# Altium PCB Power Selection_bottom_component.PcbDoc (part 1 of 2) (continued)
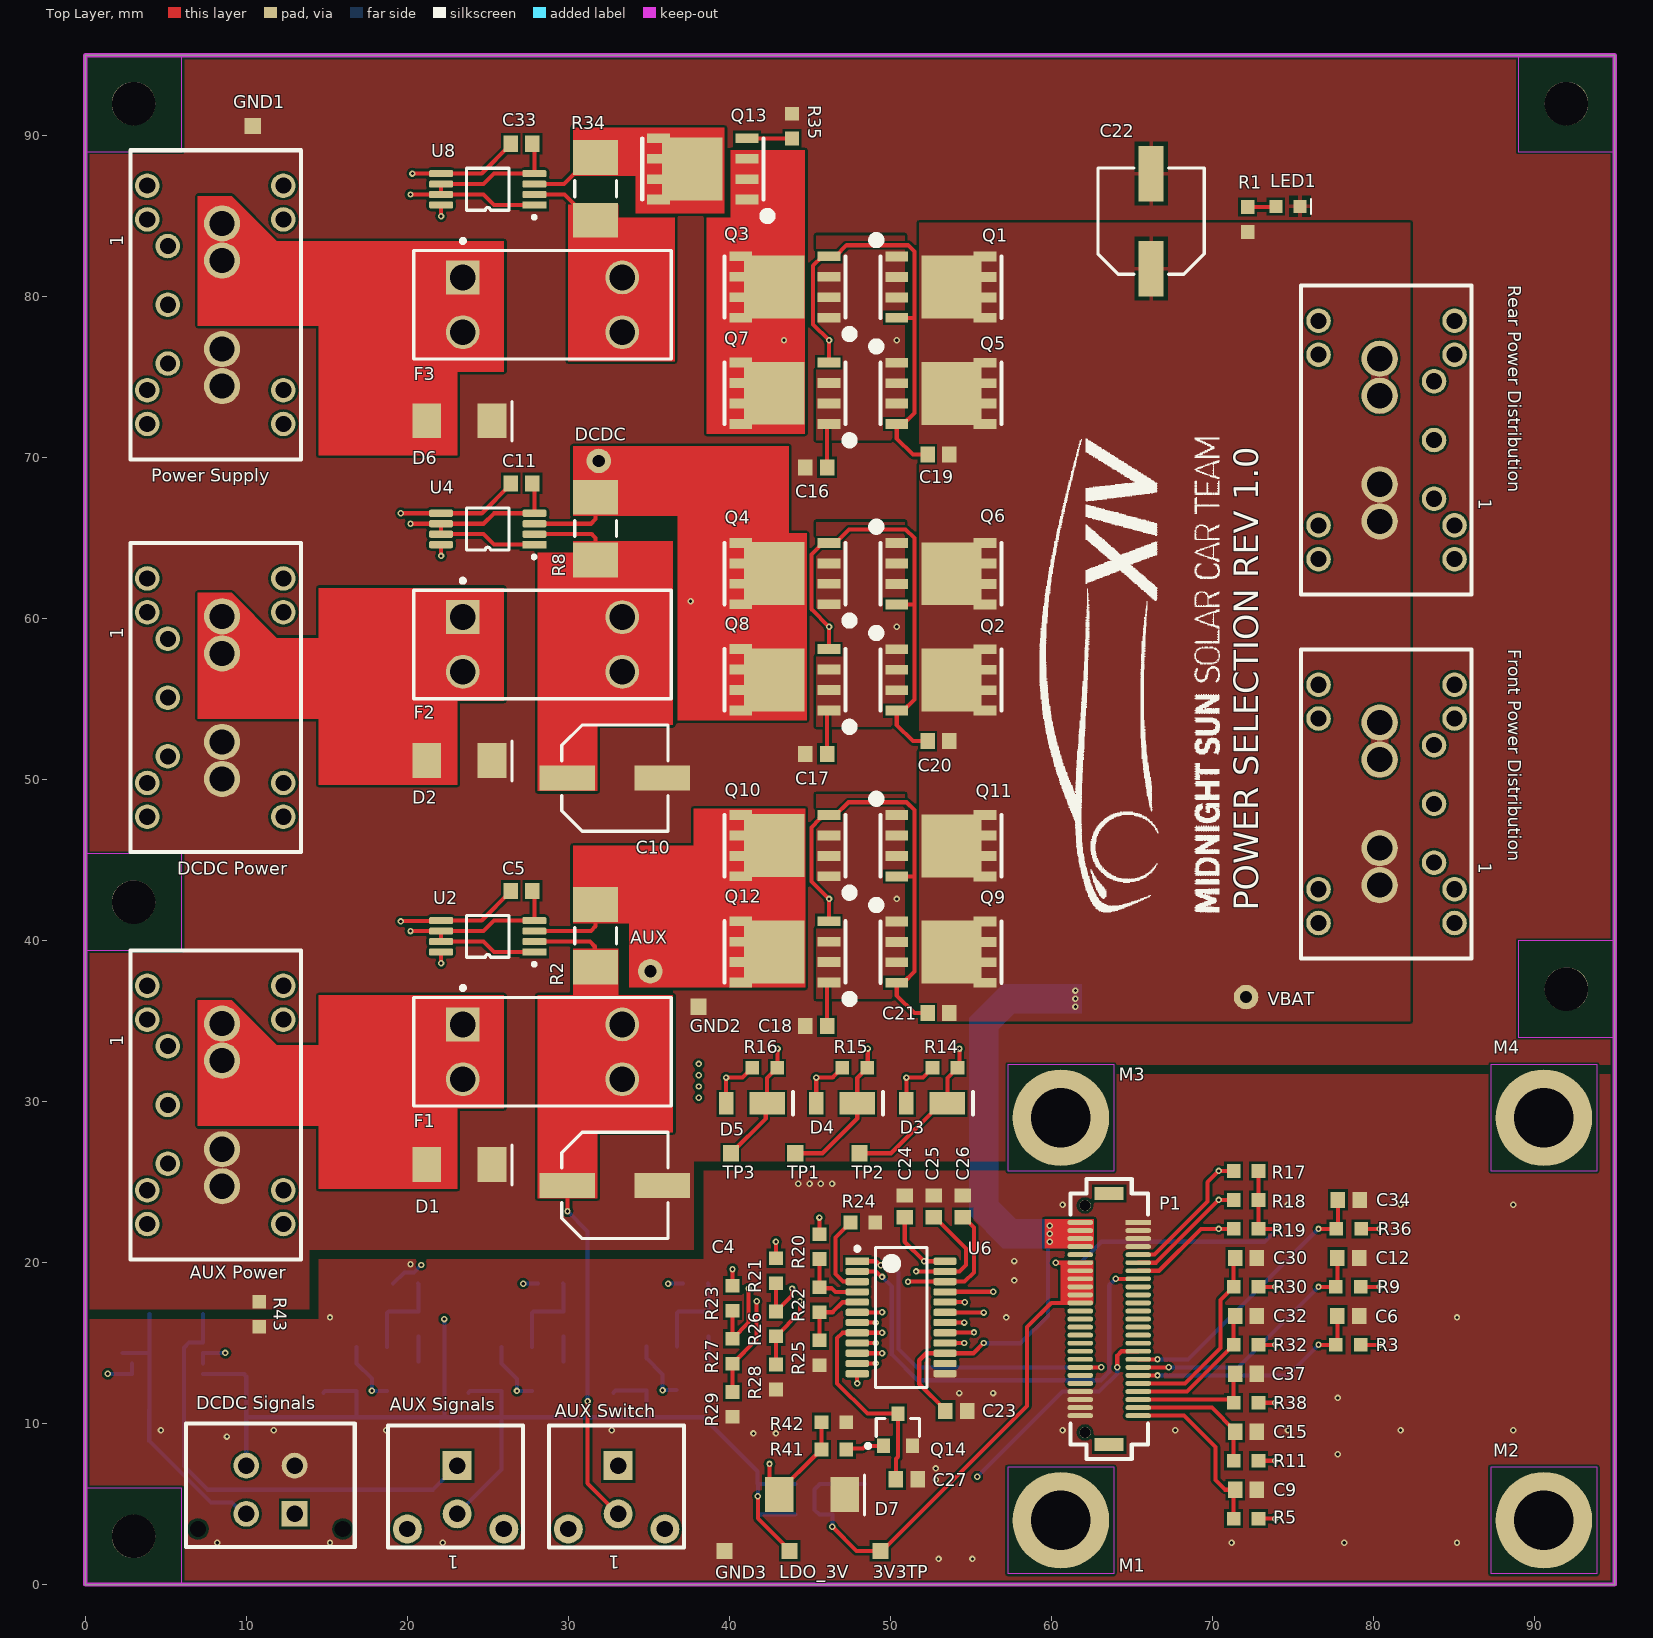
[diagram p0: Top Layer view]
## Design rules (kind name [scope] priority, off if disabled: settings)
Clearance [All] p1: gap=0.152 ignorepadtopadclearanceinfootprint=FALSE except(0: Arc-Text Arc-Hole Track-Text Track-Hole SMDPad-Text SMDPad-Hole THPad-Text THPad-Hole Via-Text Via-Hole Fill-Text Fill-Hole Poly-Text Poly-Hole Region-Text Region-Hole Text-Text Text-Hole)
PlaneClearance [All] p1: clearance=0.508
PlaneConnect "Schematic Power Plane Connect Style_1" [InNetClass('HighCurrent')] p1: planeconnectstyle=Direct reliefexpansion=0.508 reliefentries=4 reliefconductorwidth=0.254 reliefairgap=0.254
PlaneConnect [All] p2: planeconnectstyle=Direct reliefexpansion=0.508 reliefentries=4 reliefconductorwidth=0.254 reliefairgap=0.254
PolygonConnect "Schematic Polygon Connect Style_1" [InNetClass('HighCurrent')] p1: connectstyle=Direct reliefconductorwidth=0.254 reliefentries=4 polygonreliefangle="45 Angle" airgapwidth=0.254
PolygonConnect [All] p2: connectstyle=Direct reliefconductorwidth=0.254 reliefentries=4 polygonreliefangle="90 Angle" airgapwidth=0.254
RoutingVias [All] p1: holewidth=0.2 width=0.4 viastyle="Through Hole" minholewidth=0.2 minwidth=0.4 maxholewidth=0.2 maxwidth=0.4
SolderMaskExpansion [All] p1: expansion=0.102 istentingtop=FALSE
Width [All] p1: maxlimit=0.254 minlimit=0.254 preferedwidth=0.254
28 further rules are at their usual default settings.

## Classes and differential pairs
net class HighCurrent: AUX_BAT_IN AUX_FSD DCDC_FUSED DCDC_UNFUSED NetC10_1 NetF3_3 "Power Supply_UNFUSED" VBAT VS_1 VS_2 VS_3
component class "Power Selection - Temperature Sense": C28 C29 C30 C31 C32 R30 R31 R32 R33 U7
component class "Power Selection - Power Supply": C33 C34 C35 C36 C37 D6 F3 "Power Supply" Q13 R34 R35 R36 R37 R38 R39 R40 U8 U9
component class "Power Selection - Power Path": C16 C17 C18 C19 C20 C21 C22 C23 C24 C25 C26 C27 D3 D4 D5 GND2 Q1 Q2 Q3 Q4 Q5 Q6 Q7 Q8 Q9 Q10 Q11 Q12 Q14 R14 R15 R16 R17 R18 R19 R20 R21 R22 R23 R24 R25 R26 R27 R28 R29 TP1 TP2 TP3 U6
component class "Power Selection - DC-DC": C10 C11 C12 C13 C14 C15 D2 DCDC "DCDC Power" "DCDC Signals" F2 R8 R9 R10 R11 R12 R13 U4 U5
component class "Power Selection - AUX": AUX "AUX Power" "AUX Signals" "AUX Switch" C4 C5 C6 C7 C8 C9 D1 D7 F1 R2 R3 R4 R5 R6 R7 R41 R42 U2 U3
component class Controller_Board_Interface: 3V3TP C1 C2 C3 "Front Power Distribution" GND1 GND3 LDO_3V LED1 M1 M2 M3 M4 P1 R1 R43 "Rear Power Distribution" U1 VBAT

## Components (designator, comment, footprint, x,y, rotation, side; value= is the part's Value field where it differs from the comment)
3V3TP "Test Point" "Test Point"#1 49.382,3.7 r270 top
AUX "Thru Test Point" "Thru Test Point"#1 34.85,38.5 r90 top
"AUX Power" "CONN HEADER TE  ELCON Mini 2POS PCB" "CONN HEADER TE  ELCON Mini 2POS PCB-Footprint-1" 8.5,29.8 r180 top
"AUX Signals" "CONN 2POS MICRO-FIT 3mm" "CONN, 2POS MICRO-FIT" 23,7.4 r180 top
"AUX Switch" "CONN 2POS MICRO-FIT 3mm" "CONN, 2POS MICRO-FIT" 33,7.4 r180 top
C1 "CAP CER 1UF 50V 10% X7R 0603" "CAP, 0603" 48.65,5.802 r270 bottom
C2 "CAP CER 10nF 50V 5% X7R 0603" "CAP, 0603" 41.1,4.3 r180 bottom
C3 "CAP CER 1UF 50V 10% X7R 0603" "CAP, 0603" 41.1,6.3 r180 bottom
C4 "47UF" "CAP ALUM 6.3MM RADIAL SMD" 32.9,24.8 r0 top
C5 "CAP CER 0.1UF 50V 10% X7R 0603" "CAP, 0603" 27.1,43.1 r0 top
C6 "CAP CER 10nF 50V 5% X7R 0603" "CAP, 0603" 78.45,16.7 r0 top
C7 "CAP CER 0.1UF 50V 10% X7R 0603" "CAP, 0603" 32.8,12.6 r90 bottom
C8 "CAP CER 10nF 50V 5% X7R 0603" "CAP, 0603" 36.1,16.9 r180 bottom
C9 "CAP CER 10nF 50V 5% X7R 0603" "CAP, 0603" 72.1,5.9 r0 top
C10 "47UF" "CAP ALUM 6.3MM RADIAL SMD" 32.9,50.1 r0 top
C11 "CAP CER 0.1UF 50V 10% X7R 0603" "CAP, 0603" 27.1,68.4 r0 top
C12 "CAP CER 10nF 50V 5% X7R 0603" "CAP, 0603" 78.45,20.3 r0 top
C13 "CAP CER 0.1UF 50V 10% X7R 0603" "CAP, 0603" 23.8,12.6 r90 bottom
C14 "CAP CER 10nF 50V 5% X7R 0603" "CAP, 0603" 27.1,16.9 r180 bottom
C15 "CAP CER 10nF 50V 5% X7R 0603" "CAP, 0603" 72.1,9.5 r0 top
C16 "CAP CER 20PF 50V ±5% C0G/NP0 0603" "CAP, 0603" 45.4,69.4 r180 top value=20pF
C17 "CAP CER 20PF 50V ±5% C0G/NP0 0603" "CAP, 0603" 45.4,51.6 r180 top value=20pF
C18 "CAP CER 20PF 50V ±5% C0G/NP0 0603" "CAP, 0603" 45.4,34.7 r180 top value=20pF
C19 "CAP CER 2PF 50V C0G 0603" "CAP, 0603" 52.995,70.205 r0 top
C20 "CAP CER 2PF 50V C0G 0603" "CAP, 0603" 53,52.4 r0 top
C21 "CAP CER 2PF 50V C0G 0603" "CAP, 0603" 53,35.5 r0 top
C22 "CAP ALUM 100UF 20% 35V SMD" "CAP ALUM 6.3MM RADIAL SMD" 66.2,84.7 r90 top value=100µF
C23 "CAP CER 0.1UF 50V 10% X7R 0603" "CAP, 0603" 54.1,10.8 r0 top
C24 "CAP CER 0.1UF 50V 10% X7R 0603" "CAP, 0603" 50.9,23.5 r90 top
C25 "CAP CER 0.1UF 50V 10% X7R 0603" "CAP, 0603" 52.7,23.5 r90 top
C26 "CAP CER 0.1UF 50V 10% X7R 0603" "CAP, 0603" 54.5,23.5 r90 top
C27 "CAP CER 10nF 50V 5% X7R 0603" "CAP, 0603" 51.025,6.549 r0 top
C28 "CAP CER 0.1UF 50V 10% X7R 0603" "CAP, 0603" 9.9,13.7 r90 bottom
C29 "CAP CER 10nF 50V 5% X7R 0603" "CAP, 0603" 3.3,10.8 r180 bottom
C30 "CAP CER 10nF 50V 5% X7R 0603" "CAP, 0603" 72.1,20.3 r0 top
C31 "CAP CER 10nF 50V 5% X7R 0603" "CAP, 0603" 6.8,10.8 r0 bottom
C32 "CAP CER 10nF 50V 5% X7R 0603" "CAP, 0603" 72.1,16.7 r0 top
C33 "CAP CER 0.1UF 50V 10% X7R 0603" "CAP, 0603" 27.1,89.5 r0 top
C34 "CAP CER 10nF 50V 5% X7R 0603" "CAP, 0603" 78.475,23.9 r0 top
C35 "CAP CER 0.1UF 50V 10% X7R 0603" "CAP, 0603" 14.8,12.6 r90 bottom
C36 "CAP CER 10nF 50V 5% X7R 0603" "CAP, 0603" 18.1,16.9 r180 bottom
C37 "CAP CER 10nF 50V 5% X7R 0603" "CAP, 0603" 72.1,13.1 r0 top
D1 "DIODE TVS 15VWM 24.4VC DO-214AA (SMB)" "DO-214AA Diode" 21.2,26.1 r0 top
D2 "DIODE TVS 15VWM 24.4VC DO-214AA (SMB)" "DO-214AA Diode" 21.2,51.2 r0 top
D3 "DIODE SCHOTTKY 30V 1A POWERDI123" "DIODE SCHOTTKY 30V 1A POWERDI123" 51,29.9 r0 top
D4 "DIODE SCHOTTKY 30V 1A POWERDI123" "DIODE SCHOTTKY 30V 1A POWERDI123" 45.4,29.9 r0 top
D5 "DIODE SCHOTTKY 30V 1A POWERDI123" "DIODE SCHOTTKY 30V 1A POWERDI123" 39.8,29.9 r0 top
D6 "DIODE TVS 15VWM 24.4VC DO-214AA (SMB)" "DO-214AA Diode" 21.2,72.3 r0 top
D7 "DIODE TVS 15VWM 24.4VC DO-214AA (SMB)" "DO-214AA Diode" 43.1,5.6 r0 top
DCDC "Thru Test Point" "Thru Test Point"#2 33.3,69.75 r90 top
"DCDC Power" "CONN HEADER TE  ELCON Mini 2POS PCB" "CONN HEADER TE  ELCON Mini 2POS PCB-Footprint-1" 8.5,55.1 r180 top
"DCDC Signals" "CONN 4POS MICRO-FIT 3mm" "CONN 4POS MICROFIT (2x2)" 10,7.4 r180 top
F1 "3568" KSTN-3568_V 28.4,33.1 r0 top
F2 "3568" KSTN-3568_V 28.4,58.4 r0 top
F3 "3568" KSTN-3568_V 28.4,79.5 r0 top
"Front Power Distribution" "CONN HEADER TE  ELCON Mini 2POS PCB" "CONN HEADER TE  ELCON Mini 2POS PCB-Footprint-1" 80.4,48.5 r0 top
GND1 "Test Point" "Test Point"#2 10.4,90.6 r90 top
GND2 "Test Point" "Test Point"#3 38.063,35.9 r90 top
GND3 "Test Point" "Test Point"#2 39.7,2.1 r90 top
LDO_3V "Test Point" "Test Point"#4 43.748,2.45 r270 top
LED1 "LED GREEN CLEAR 2V 0603" LED_0603 74,85.6 r0 top
M1 "STANDOFF RND M2.5X0.45 STEEL 5MM" "M2.5 Standoff" 60.6,4 r0 top locked
M2 "STANDOFF RND M2.5X0.45 STEEL 5MM" "M2.5 Standoff" 90.6,4 r0 top
M3 "STANDOFF RND M2.5X0.45 STEEL 5MM" "M2.5 Standoff" 60.6,29 r0 top locked
M4 "STANDOFF RND M2.5X0.45 STEEL 5MM" "M2.5 Standoff" 90.6,29 r0 top
P1 "CONN 50POS Bergstak Plug 0.02\"" "CONN, Bergstak 50 Pos Plug" 63.6,16.5 r0 top locked
"Power Supply" "CONN HEADER TE  ELCON Mini 2POS PCB" "CONN HEADER TE  ELCON Mini 2POS PCB-Footprint-1" 8.5,79.5 r180 top
Q1 "MOSFET P-CH PWR56 40V 4.9 MOHM" "PMOS PWR56 40V 4.9 MOHM" 50.4,82.5 r0 top
Q2 "MOSFET P-CH PWR56 40V 4.9 MOHM" "PMOS PWR56 40V 4.9 MOHM" 50.4,58.1 r0 top
Q3 "MOSFET P-CH PWR56 40V 4.9 MOHM" "PMOS PWR56 40V 4.9 MOHM" 46.2,78.7 r180 top
Q4 "MOSFET P-CH PWR56 40V 4.9 MOHM" "PMOS PWR56 40V 4.9 MOHM" 46.2,60.9 r180 top
Q5 "MOSFET P-CH PWR56 40V 4.9 MOHM" "PMOS PWR56 40V 4.9 MOHM" 50.4,75.9 r0 top
Q6 "MOSFET P-CH PWR56 40V 4.9 MOHM" "PMOS PWR56 40V 4.9 MOHM" 50.4,64.7 r0 top
Q7 "MOSFET P-CH PWR56 40V 4.9 MOHM" "PMOS PWR56 40V 4.9 MOHM" 46.2,72.1 r180 top
Q8 "MOSFET P-CH PWR56 40V 4.9 MOHM" "PMOS PWR56 40V 4.9 MOHM" 46.2,54.3 r180 top
Q9 "MOSFET P-CH PWR56 40V 4.9 MOHM" "PMOS PWR56 40V 4.9 MOHM" 50.4,41.2 r0 top
Q10 "MOSFET P-CH PWR56 40V 4.9 MOHM" "PMOS PWR56 40V 4.9 MOHM" 46.2,44 r180 top
Q11 "MOSFET P-CH PWR56 40V 4.9 MOHM" "PMOS PWR56 40V 4.9 MOHM" 50.4,47.8 r0 top
Q12 "MOSFET P-CH PWR56 40V 4.9 MOHM" "PMOS PWR56 40V 4.9 MOHM" 46.2,37.4 r180 top
Q13 "MOSFET P-CH PWR56 40V 4.9 MOHM" "PMOS PWR56 40V 4.9 MOHM" 41.1,86.03 r180 top
Q14 "MOSFET N-CH 30V 6.2A 0.9W SOT-23" "MOSFET N-CH 30V 6.2A 0.9W SOT-23" 50.473,9.624 r90 top
R1 "RES 4.7K OHM 1% 1/10W 0603" "RES, 0603" 72.2,84.8 r90 top
R2 "RES 0.003 OHM 1% 1.5W 2010" "RES 2010" 31.7,40.3 r90 top
R3 "RES 100 OHM 1% 1/10W 0603" "RES, 0603" 78.45,14.9 r180 top
R4 "RES 470K OHM 1% 1/4W 0603" "RES, 0603" 37.9,18.7 r0 bottom
R5 "RES 100 OHM 1% 1/10W 0603" "RES, 0603" 72.1,4.1 r180 top
R6 "RES 100K OHM 5% 1/8W 0603" "RES, 0603" 38.7,16.2 r270 bottom
R7 "RES 10K OHM 1% 1/10W 0603" "RES, 0603" 38.7,13.1 r270 bottom
R8 "RES 4m OHM 1% 2W 2010" "RES 2010" 31.7,65.6 r90 top
R9 "RES 100 OHM 1% 1/10W 0603" "RES, 0603" 78.45,18.5 r180 top
R10 "RES 470K OHM 1% 1/4W 0603" "RES, 0603" 28.9,18.7 r0 bottom
R11 "RES 100 OHM 1% 1/10W 0603" "RES, 0603" 72.1,7.7 r180 top
R12 "RES 100K OHM 5% 1/8W 0603" "RES, 0603" 29.7,16.2 r270 bottom
R13 "RES 10K OHM 1% 1/10W 0603" "RES, 0603" 29.7,13.1 r270 bottom
R14 "2.21K" "RES, 0603" 53.4,32.1 r180 top
R15 "2.21K" "RES, 0603" 47.8,32.1 r180 top
R16 "2.21K" "RES, 0603" 42.2,32.1 r180 top
R17 "RES 10K OHM 1% 1/10W 0603" "RES, 0603" 72.1,25.7 r180 top
R18 "RES 10K OHM 1% 1/10W 0603" "RES, 0603" 72.1,23.9 r180 top
R19 "RES 10K OHM 1% 1/10W 0603" "RES, 0603" 72.1,22.1 r180 top
R20 "RES 1M OHM 1% 1/10W 0603" "RES, 0603" 45.6,21 r270 top
R21 "RES 1M OHM 1% 1/10W 0603" "RES, 0603" 42.9,19.5 r270 top
R22 "RES 19.6K OHM 1% 1/10W 0603" "RES, 0603" 45.6,17.7 r270 top
R23 "RES 1M OHM 1% 1/10W 0603" "RES, 0603" 40.2,17.8 r270 top
R24 "RES 255K OHM 1% 1/10W 0603" "RES, 0603" 48.3,22.5 r0 top
R25 "RES SMD 75K OHM 0.1% 1/10W 0603" "RES, 0603" 45.6,14.4 r90 top value=75KR
R26 "RES 29.4K OHM 1% 1/10W 0603" "RES, 0603" 42.9,16.2 r270 top
R27 "RES SMD 44.2K OHM 1% 1/10W 0603" "RES, 0603" 40.2,14.5 r270 top
R28 "RES 76.8K OHM 1% 1/10W 0603" "RES, 0603" 42.9,12.9 r270 top
R29 "RES SMD 75K OHM 0.1% 1/10W 0603" "RES, 0603" 40.2,11.2 r270 top value=75KR
R30 "RES 10K OHM 1% 1/10W 0603" "RES, 0603" 72.1,18.5 r180 top
R31 "RES 10K OHM 1% 1/10W 0603" "RES, 0603" 4,17.6 r90 bottom
R32 "RES 10K OHM 1% 1/10W 0603" "RES, 0603" 72.1,14.9 r180 top
R33 "RES 10K OHM 1% 1/10W 0603" "RES, 0603" 7.3,17.6 r90 bottom
R34 "RES 4m OHM 1% 2W 2010" "RES 2010" 31.7,86.7 r90 top
R35 "RES 10K OHM 1% 1/10W 0603" "RES, 0603" 43.9,90.6 r90 top
R36 "RES 100 OHM 1% 1/10W 0603" "RES, 0603" 78.475,22.1 r180 top
R37 "RES 470K OHM 1% 1/4W 0603" "RES, 0603" 19.9,18.7 r0 bottom
R38 "RES 100 OHM 1% 1/10W 0603" "RES, 0603" 72.1,11.3 r180 top
R39 "RES 100K OHM 5% 1/8W 0603" "RES, 0603" 20.7,16.2 r270 bottom
R40 "RES 10K OHM 1% 1/10W 0603" "RES, 0603" 20.7,13.1 r270 bottom
R41 "RES SMD 1K OHM 0.1% 1/10W 0603" "RES, 0603" 46.5,8.4 r0 top value=10k
R42 "RES 1M OHM 1% 1/10W 0603" "RES, 0603" 46.5,10.1 r0 top
R43 "RES 0.0 OHM 1/4W 0603" "RES, 0603" 10.8,16.8 r270 top value=0
"Rear Power Distribution" "CONN HEADER TE  ELCON Mini 2POS PCB" "CONN HEADER TE  ELCON Mini 2POS PCB-Footprint-1" 80.4,71.1 r0 top
TP1 "Test Point" "Test Point"#5 43.852,27 r90 top
TP2 "Test Point" "Test Point"#6 47.525,26.9 r90 top
TP3 "Test Point" "Test Point"#7 40.152,27 r90 top
U1 "IC REG LINEAR 3V 200MA SOT23-5" SOT95P280X145-5N 45.25,5.3 r180 bottom
U2 "50V/V" "IC CURRENT AMPLIFIER INA240 TSSOP-8" 27.9,39.3 r180 top
U3 "IC OP AMP GEN PURPOSE RR 10MHZ SOT-23-5" "IC OP AMP GP RR 10MHZ SOT-23-5" 35.8,13.425 r270 bottom
U4 "100V/V" "IC CURRENT AMPLIFIER INA240 TSSOP-8" 27.9,64.6 r180 top
U5 "IC OP AMP GEN PURPOSE RR 10MHZ SOT-23-5" "IC OP AMP GP RR 10MHZ SOT-23-5" 26.8,13.4 r270 bottom
U6 "IC OR CONTROLLER SOURCE SELECT 24SSOP" "IC OR CTRLR SRC SELECT 24SSOP" 50.676,16.6 r0 top
U7 "IC OP AMP DUAL GP RR 10MHZ 8-VSSOP" "IC DUAL OPAMP OPA2197 8-VSSOP" 5.1,14.1 r0 bottom
U8 "100V/V" "IC CURRENT AMPLIFIER INA240 TSSOP-8" 27.9,85.7 r180 top
U9 "IC OP AMP GEN PURPOSE RR 10MHZ SOT-23-5" "IC OP AMP GP RR 10MHZ SOT-23-5" 17.8,13.4 r270 bottom
VBAT "Thru Test Point" "Thru Test Point"#3 72.1,36.5 r90 top

## Footprints (in the part's own frame and the unit in brackets; to place one, negate y for a bottom-side part, rotate by r counter-clockwise, add the part's x,y. Pads: shape width x height; smd on the part's side, far side on the other; paste and mask are expansions set on the pad)
"CAP ALUM 6.3MM RADIAL SMD" [mm] "Aluminum Electrolytic Capacitor, Body 6.50x6.50x5.50mm, IPC Low Density"
  rect 3.45x1.55 smd: 1(-2.95,0) 2(2.95,0)
  silkscreen extent -3.3,-3.3 3.3,3.3, body extent -3.9,-3.3 3.9,3.3, height 5.5
"CAP, 0603" [mm] "Chip Capacitor, 2-Leads, Body 1.60x0.81mm, IPC Medium Density"
  rect 0.9x1 smd mask+0.076: 1(-0.675,0) 2(0.675,0)
  body extent -0.87,-0.48 0.87,0.48, height 0.9
"CONN 4POS MICROFIT (2x2)" [mm]
  round 1.6 hole 1.02: 1(0,0) 2(-3,0) 3(0,3)
  rect 1.6x1.6 hole 1.02: 4(-3,3)
  round 0 hole 1.02: ""(-6,3.94) ""(3,3.94)
  silkscreen extent -6.75,-2.63 3.75,5.06, body extent -6.57,-2.47 3.57,6.29, height 9.91
"CONN HEADER TE  ELCON Mini 2POS PCB-Footprint-1" [mm]
  round 1.524 hole 1: 0(-3.8,5.3) 0(-3.8,7.4) 0(-3.8,-7.4) 0(-3.8,-5.3) 0(3.375,3.65) 0(3.375,0) 0(3.375,-3.65) 0(4.65,5.3) 0(4.65,7.4) 0(4.65,-7.4) 0(4.65,-5.3)
  round 2.25 hole 1.56: 1(0,-2.75) 1(0,-5.05) 2(0,5.05) 2(0,2.75)
  silkscreen extent -4.9,-9.6 5.7,9.6, body extent -4.72,-9.45 5.58,9.45, height 11.05
"CONN, 2POS MICRO-FIT" [mm]
  round 1.8 hole 1.02: 0(-3,3.94) 0(3,3.94) 2(-0.1,3)
  rect 1.8x1.8 hole 1.02: 1(-0.1,0)
  silkscreen extent -4.2,-2.5 4.2,5.1, body extent -3.67,-2.47 3.48,6.3, height 9.95
"CONN, Bergstak 50 Pos Plug" [mm] "Bergstak 50 Position Plug"
  rect 1.6x0.3 smd: 1(1.8,6)
  oval 1.6x0.3 smd: 2(1.8,5.5) 3(1.8,5) 4(1.8,4.5) 5(1.8,4) 6(1.8,3.5) 7(1.8,3) 8(1.8,2.5) 9(1.8,2) 10(1.8,1.5) 11(1.8,1) 12(1.8,0.5) 13(1.8,0) 14(1.8,-0.5) 15(1.8,-1) 16(1.8,-1.5) 17(1.8,-2) 18(1.8,-2.5) 19(1.8,-3) 20(1.8,-3.5) 21(1.8,-4) 22(1.8,-4.5) 23(1.8,-5) 24(1.8,-5.5) 25(1.8,-6) 26(-1.8,-6) 27(-1.8,-5.5) 28(-1.8,-5) 29(-1.8,-4.5) 30(-1.8,-4) 31(-1.8,-3.5) 32(-1.8,-3) 33(-1.8,-2.5) 34(-1.8,-2) 35(-1.8,-1.5) 36(-1.8,-1) 37(-1.8,-0.5) 38(-1.8,0) 39(-1.8,0.5) 40(-1.8,1) 41(-1.8,1.5) 42(-1.8,2) 43(-1.8,2.5) 44(-1.8,3) 45(-1.8,3.5) 46(-1.8,4) 47(-1.8,4.5) 48(-1.8,5) 49(-1.8,5.5) 50(-1.8,6)
  round 0.7 hole 0.7: ""(-1.5,-7.05) ""(-1.5,7.05)
  rect 1.8x0.8 smd: ""(0,-7.8) ""(0,7.8)
  silkscreen extent -2.4,-8.7 2.4,8.7, body extent -2.3,-7.75 2.3,7.75, height 4.2
"DIODE SCHOTTKY 30V 1A POWERDI123" [mm] "Diodes Incorporated DFLS130L-7"
  rect 0.9x1.4 smd: 1(0,0)
  rect 2.2x1.4 smd: 2(2.55,0)
  silkscreen extent 4.15,-0.7 4.15,0.7, body extent -0.27,-0.88 3.42,0.9, height 0.98
"DO-214AA Diode" [mil] "Zener Diode 16V 5W SMBJ5353B-TP"
  rect 70x85 smd: 1(0,0) 2(160,0)
  silkscreen extent 209,-50 209,47, body extent -21,-60 187,55, height 95
"IC CURRENT AMPLIFIER INA240 TSSOP-8" [mm]
  rect 1.5x0.45 smd: 1(0,0)
  rrect50% 1.5x0.45 smd: 2(0,-0.65) 3(0,-1.3) 4(0,-1.95) 5(5.8,-1.95) 6(5.8,-1.3) 7(5.8,-0.65) 8(5.8,0)
  silkscreen extent -0.06,-2.28 4.22,0.84, body extent -0.28,-2.52 6.22,0.58, height 1.2
"IC DUAL OPAMP OPA2197 8-VSSOP" [mm] "TSOP, 8-Leads, Body 3.00x3.00mm, Pitch 0.65mm, IPC Medium Density"
  rect 1.45x0.45 smd: 1(-2.2,0.975)
  oval 1.45x0.45 smd: 2(-2.2,0.325) 3(-2.2,-0.325) 4(-2.2,-0.975) 5(2.2,-0.975) 6(2.2,-0.325) 7(2.2,0.325) 8(2.2,0.975)
  silkscreen extent -2.32,-1.55 1.15,1.87, body extent -2.45,-1.55 2.45,1.55, height 1.1
"IC OP AMP GP RR 10MHZ SOT-23-5" [mm] "SOT23, 5-Leads, Body 2.90x2.80mm, Pitch 0.95mm, IPC Medium Density"
  rect 1x0.6 smd: 1(-1.375,0.95)
  rrect50% 1x0.6 smd: 2(-1.375,0) 3(-1.375,-0.95) 4(1.375,-0.95) 5(1.375,0.95)
  silkscreen extent -1.5,-1.55 0.5,1.92, body extent -1.5,-1.53 1.5,1.53, height 1.45
"IC OR CTRLR SRC SELECT 24SSOP" [mm] "LTC4417"
  rect 1.45x0.45 smd: 1(-2.725,3.492)
  rrect50% 1.45x0.45 smd: 2(-2.725,2.857) 3(-2.725,2.222) 4(-2.725,1.587) 5(-2.725,0.953) 6(-2.725,0.318) 7(-2.725,-0.318) 8(-2.725,-0.953) 9(-2.725,-1.587) 10(-2.725,-2.222) 11(-2.725,-2.857) 12(-2.725,-3.492) 13(2.725,-3.492) 14(2.725,-2.857) 15(2.725,-2.222) 16(2.725,-1.587) 17(2.725,-0.953) 18(2.725,-0.318) 19(2.725,0.318) 20(2.725,0.953) 21(2.725,1.587) 22(2.725,2.222) 23(2.725,2.857) 24(2.725,3.492)
  silkscreen extent -2.85,-4.35 1.6,4.39, body extent -3,-4.35 3,4.35, height 1.75
KSTN-3568_V [mm] "THD, 4-Leads, Body 16x6.73mm, Pitch 9.9mm"
  rect 2.1x2.1 hole 1.6: 1(-4.95,1.7)
  round 2.1 hole 1.6: 2(-4.95,-1.7) 3(4.95,1.7) 4(4.95,-1.7)
  silkscreen extent -8,-3.36 8,4.09, body extent -8,-3.37 8,3.37, height 7.44
LED_0603 [mm]
  rect 0.8x0.8 smd: 1(-0.05,0.01) 2(1.45,0.01)
  silkscreen extent 2.13,-0.46 2.13,0.45, body extent -0.09,-0.39 1.51,0.41, height 0.8
"M2.5 Standoff" [mm]
  round 6 smd: ""(0,0)
  round 0 hole 3.7: ""(0,0)
"MOSFET N-CH 30V 6.2A 0.9W SOT-23" [mm] "SOT23, 3-Leads, Body 2.90x2.40mm, Pitch 0.90mm, IPC Medium Density"
  rect 0.9x0.8 smd: 1(-1,0.9) 2(-1,-0.9) 3(1,0)
  silkscreen extent -1.12,-1.35 0.7,1.97, body extent -1.25,-1.5 1.25,1.5, height 1.1
"PMOS PWR56 40V 4.9 MOHM" [mm] "Mosfet Array 2 P-Channel (Dual) 30V 60A 46W Surface Mount PowerPAK?SO-8 Dual"
  rect 1.42x0.61 smd: 1(0,0) 2(0,-1.27) 3(0,-2.54) 4(0,-3.81) 5(5.49,-3.81) 6(5.49,-2.54) 7(5.49,-1.27) 8(5.49,0)
  rect 3.75x3.91 smd: 8(3.405,-1.905)
  silkscreen extent -1.52,-3.81 6.51,1.27, body extent -0.69,-4.32 6.17,0.51, height 1.2
"RES 2010" [mm] "Chip Resistor, 2-Leads, Body 5.08x2.54mm, IPC Medium Density"
  rect 2.15x2.8 smd: 1(-1.95,0) 2(1.95,0)
  silkscreen extent -0.5,-1.3 0.5,1.3, body extent -2.67,-1.4 2.67,1.4, height 1.04
"RES, 0603" [mm] "Chip Resistor, 2-Leads, Body 1.60x0.80mm, IPC Medium Density"
  rect 0.85x0.85 smd: 1(-0.775,0) 2(0.775,0)
  body extent -0.8,-0.4 0.8,0.4, height 0.55
SOT95P280X145-5N [mm] "SOT23, 5-Leads, Body 2.95x2.80mm, Pitch 0.95mm, IPC Medium Density"
  rect 1.05x0.6 smd: 1(-1.15,0.95) 2(-1.15,0) 3(-1.15,-0.95) 4(1.15,-0.95) 5(1.15,0.95)
  silkscreen extent -1.28,-1.5 0.4,1.92, body extent -1.4,-1.48 1.4,1.48, height 1.45
"Test Point"#1 [mm]
  rect 1x1 smd paste-2: TP(1.6,0)
"Test Point"#2 [mm]
  rect 1x1 smd paste-2: TP(0,0)
"Test Point"#3 [mm]
  rect 1x1 smd paste-2: TP(0,-0.037)
"Test Point"#4 [mm]
  rect 1x1 smd paste-2: TP(0.35,0)
"Test Point"#5 [mm]
  rect 1x1 smd paste-2: TP(-0.2,-0.248)
"Test Point"#6 [mm]
  rect 1x1 smd paste-2: TP(-0.1,-0.575)
"Test Point"#7 [mm]
  rect 1x1 smd paste-2: TP(-0.2,0.052)
"Thru Test Point"#1 [mil]
  round 60 hole 30: TH_TP(-15.75,-9.84)
"Thru Test Point"#2 [mil]
  round 60 hole 30: TH_TP(1.97,55.12)
"Thru Test Point"#3 [mil]
  round 60 hole 30: TH_TP(0,0)

## Part data
"AUX Power" "DCDC Power" "Front Power Distribution" "Power Supply" "Rear Power Distribution": library part CMP-002-00071-4, "CONN HEADER 2POS PCB", Contact Current Rating=40A, Current Rating=45A, Flammability Rating="UL94 V-0", Housing Color=Black, Max Operating Temperature=125°C, Min Operating Temperature=-40°C, Number of Power Positions=2, Package Quantity=150, Circuit Application=Power, Connector System=Wire-to-Board, Connector Type=Pin, Contact Gender=Male, Contact Material="Copper Alloy,Copper", Contact Plating=Silver, Contact Retention="Yes (With)", Depth=10.2mm, Gender=Male, Housing Material=Polymer, Length=18.9mm, Mount="Through Hole", Number of Contacts=2, Number of Ports=1, Number of Positions=2, Number of Rows=1, Number of Terminals=4, Orientation=Straight, Packaging="Tape and Reel", PCB Mounting Orientation=Vertical, Pitch=7.8mm, Radiation Hardening=No, REACH SVHC=Unknown, Row Spacing=7.8mm, Sealable="No (Without)", Termination="Through Hole"
"AUX Signals" "AUX Switch": "Connector Header Through Hole 2 position", Contact Resistance=10mR, Current Rating=5A, Housing Colour=Black, Manufacturer=Molex, Manufacturer Part Number=43045-0227, Max Operating Temperature=105°C, Max Voltage Rating (DC)=250.25kV, Min Operating Temperature=-40°C, Package Quantity=3168, Supplier Part Number 1=WM10657-ND, Voltage Rating=600V, ComponentLink1Description=http://www.onlinecomponents.com/productFiles/mf-MOL/307170430450227_pcb_headers.pdf, ComponentLink1URL=http://www.onlinecomponents.com/productFiles/mf-MOL/307170430450227_pcb_headers.pdf, ComponentLink2Description=http://www.mouser.com/ds/2/276/0430450227_PCB_HEADERS-142611.pdf, ComponentLink2URL=http://www.mouser.com/ds/2/276/0430450227_PCB_HEADERS-142611.pdf, ComponentLink3Description=http://uk.rs-online.com/webdocs/13c3/0900766b813c3a46.pdf, ComponentLink3URL=http://uk.rs-online.com/webdocs/13c3/0900766b813c3a46.pdf, ComponentLink4Description=http://www.molex.com/webdocs/datasheets/pdf/en-us/0430450227_PCB_HEADERS.pdf, ComponentLink4URL=http://www.molex.com/webdocs/datasheets/pdf/en-us/0430450227_PCB_HEADERS.pdf, Contact Material=Brass, Contact Plating=Tin, Depth=8.77mm, Gender=Male, Glow Wire Compliant=Compliant, Halogen Free="Low Halogen", Housing Material=Thermoplastic, Length=7.15mm, Mount="Through Hole", Number of Circuits=2, Number of Contacts=2, Number of Ports=1, Number of Positions=2, Number of Rows=2, Number of Terminals=2, Orientation=Vertical, Packaging=Tray, Pitch=3mm, Pricing 1="1=0.84, 10=0.74, 25=0.6968, 50=0.6676, 100=0.6387, 250=0.5806, 500=0.52254, 1000=0.46448, 2500=0.42094 (USD)", Radiation Hardening=No, Row Spacing=3mm, Stock 1=3657, Supplier 1=Digi-Key, Termination=Solder
C1 C3: "1µF ±10% 50V Ceramic Capacitor X7R 0603 (1608 Metric)", Capacitance=1µF, Manufacturer 1="Taiyo Yuden", Manufacturer Part Number 1=UMK107AB7105KA-T, Operating Temperature="-55°C ~ 125°C", Package / Case="0603 (1608 Metric)", Ratings=-, Supplier Part Number 1=587-3247-1-ND, Temperature Coefficient=X7R, Tolerance=±10%, Voltage=50V, ComponentLink1Description=http://www.yuden.co.jp/productdata/catalog/en/mlcc_all_e.pdf, ComponentLink1URL=http://www.yuden.co.jp/productdata/catalog/en/mlcc_all_e.pdf, Height - Seated (Max)=-, Lead Spacing=-, Lead Style=-, Mounting Type="Surface Mount, MLCC", Packaging="Cut Tape (CT)", Part Status=Active, Size / Dimension="0.063\" L x 0.031\" W (1.60mm x 0.80mm)", Supplier 1=Digi-Key, Thickness (Max)="0.037\" (0.95mm)"
C2 C6 C8 C9 C12 C14 C15 C27 C29 C30 C31 C32 C34 C36 C37: "10000pF ±5% 50V Ceramic Capacitor U2J 0603 (1608 Metric)", Capacitance=10000pF, Manufacturer 1=KEMET, Manufacturer Part Number 1=C0603C103J5JAC7867, Operating Temperature="-55°C ~ 125°C", Package / Case="0603 (1608 Metric)", Ratings=-, Supplier Part Number 1=399-13384-1-ND, Temperature Coefficient=U2J, Tolerance=±5%, Voltage=50V, ComponentLink1Description=http://www.kemet.com/docfinder?Partnumber=C0603C103J5JAC7867, ComponentLink1URL=http://www.kemet.com/docfinder?Partnumber=C0603C103J5JAC7867, Failure Rate=-, Height - Seated (Max)=-, Lead Spacing=-, Lead Style=-, Mounting Type="Surface Mount, MLCC", Packaging="Cut Tape (CT)", Part Status=Active, Size / Dimension="0.063\" L x 0.032\" W (1.60mm x 0.80mm)", Supplier 1=Digi-Key, Thickness (Max)="0.034\" (0.87mm)"